# KiCad board panel_32x32_1515_r0.1.kicad_pcb (continued)
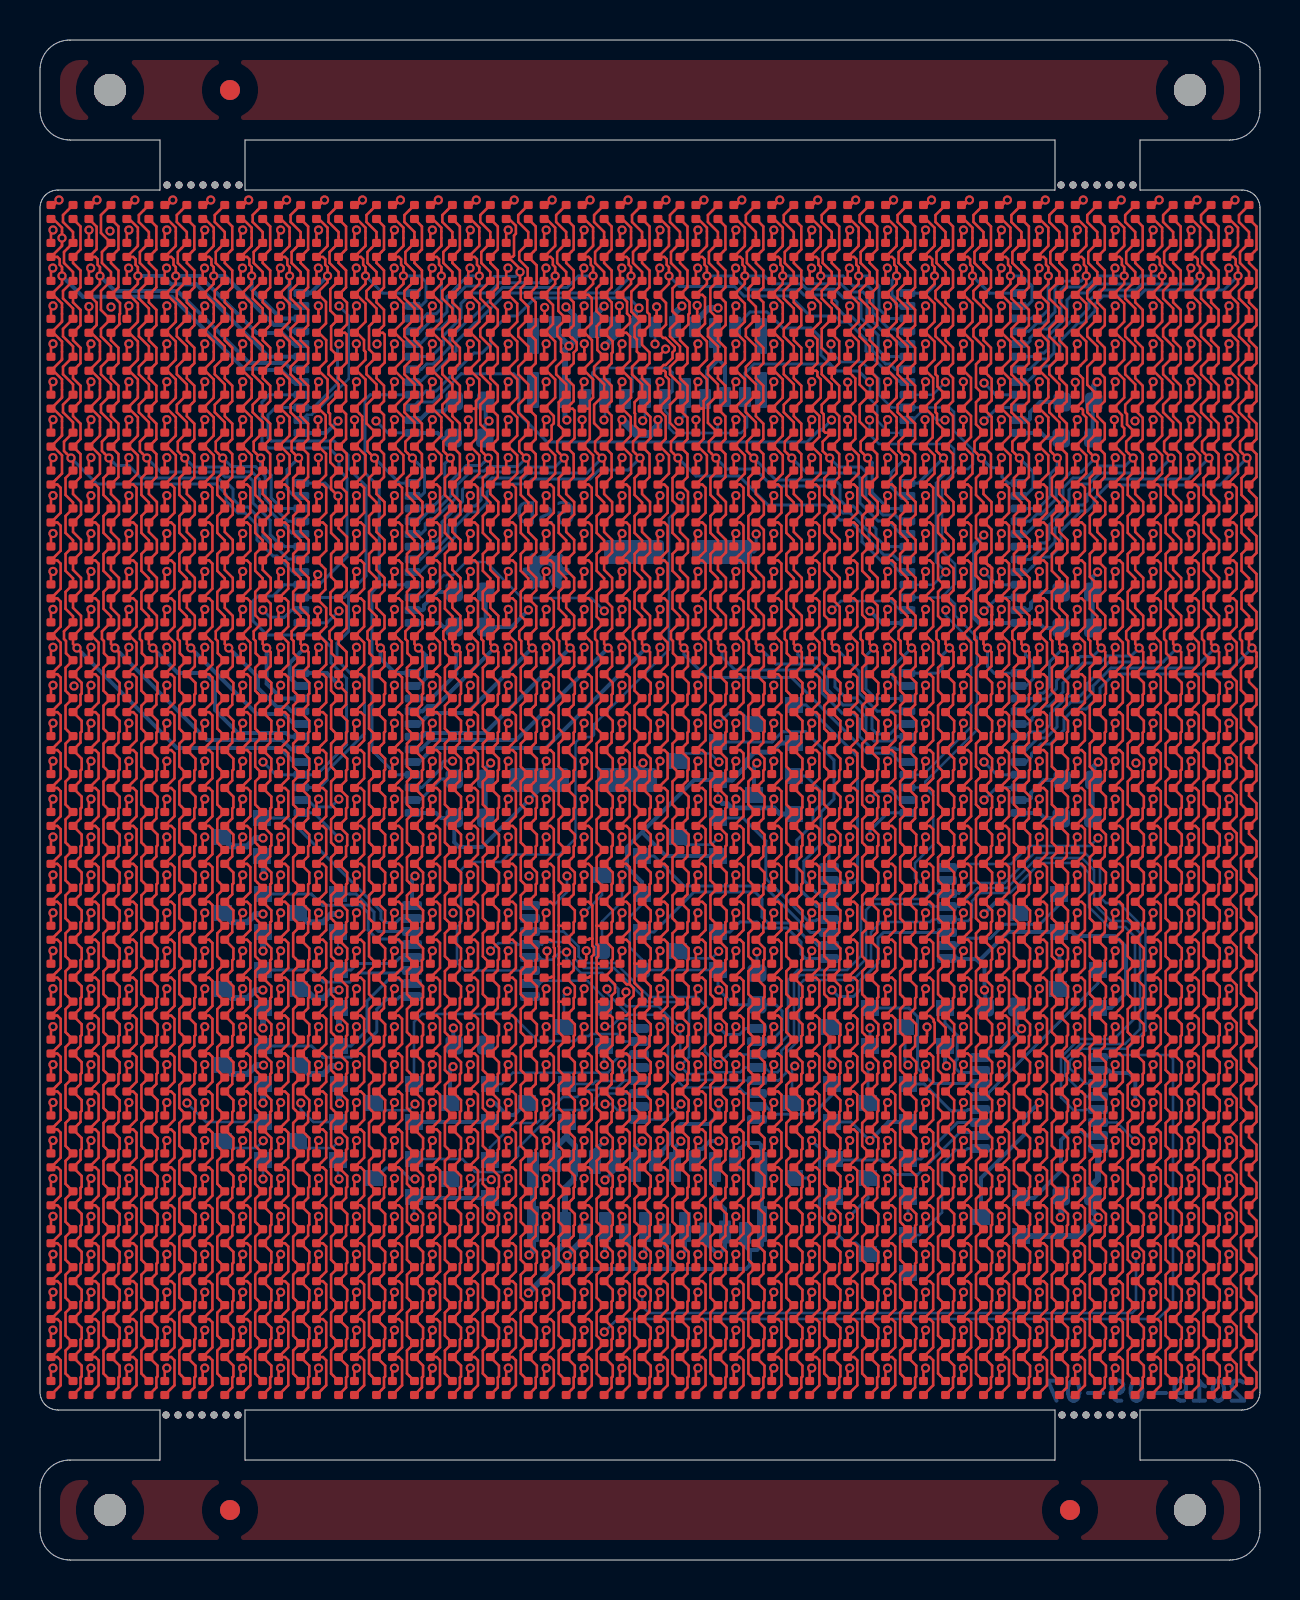
[diagram p0: board, top side]
## Routing (per net, layer and track width the routed paths; a pad name or vN(x,y) marks a point on that pad's centre or on a via; arc(x,y) is an arc through that point) (continued)
/ledArray/sheet5D795624/COM: length 37.7
  Top w0.127: v1(0.65,11.49) 0.55,11.39 D961.1 ; v1(2.55,11.49) 2.45,11.39 D962.1 ; v1(4.44,11.49) 4.34,11.39 D963.1 ; v1(6.34,11.49) 6.24,11.39 D964.1 ; v1(8.24,11.49) 8.14,11.39 D965.1 ; v1(10.13,11.49) 10.03,11.39 D966.1 ; v1(12.03,11.49) 11.93,11.39 D967.1 ; v1(13.93,11.49) 13.83,11.39 D968.1 ; v1(15.82,11.49) 15.72,11.39 D969.1 ; v1(17.72,11.49) 17.62,11.39 D970.1 ; v1(19.62,11.49) 19.52,11.39 D971.1 ; v1(21.51,11.49) 21.41,11.39 D972.1 ; v1(23.41,11.49) 23.31,11.39 D973.1 ; v1(25.31,11.49) 25.21,11.39 D974.1 ; v1(27.2,11.49) 27.1,11.39 D975.1 ; v1(29.1,11.49) 29,11.39 D976.1 ; v1(31,11.49) 30.9,11.39 D977.1 ; v1(32.9,11.49) 32.79,11.39 D978.1 ; v1(34.79,11.49) 34.69,11.39 D979.1 ; v1(36.69,11.49) 36.59,11.39 D980.1 ; v1(38.59,11.49) 38.48,11.39 D981.1 ; v1(40.48,11.49) 40.38,11.39 D982.1 ; v1(42.38,11.49) 42.28,11.39 D983.1 ; v1(44.28,11.49) 44.17,11.39 D984.1 ; v1(46.17,11.49) 46.07,11.39 D985.1 ; v1(48.07,11.49) 47.97,11.39 D986.1 ; v1(49.97,11.49) 49.86,11.39 D987.1 ; v1(51.86,11.49) 51.76,11.39 D988.1 ; v1(53.76,11.49) 53.66,11.39 D989.1 ; v1(55.66,11.49) 55.56,11.39 D990.1 ; v1(57.55,11.49) 57.45,11.39 D991.1 ; v1(59.45,11.49) 59.35,11.39 D992.1
  In2.Cu w0.15: v1(38.59,11.49) 39.05,11.96 39.05,24.2 v1(39.6,24.75)
  Bottom w0.15: v1(39.6,24.75) 39.5,24.85 Q31.3
/ledArray/sheet5D795634/COM: length 39.9
  Top w0.127: v1(0.65,9.6) 0.55,9.5 D993.1 ; v1(2.55,9.6) 2.45,9.5 D994.1 ; v1(4.44,9.6) 4.34,9.5 D995.1 ; v1(6.34,9.6) 6.24,9.5 D996.1 ; v1(8.24,9.6) 8.14,9.5 D997.1 ; v1(10.13,9.6) 10.03,9.5 D998.1 ; v1(12.03,9.6) 11.93,9.5 D999.1 ; v1(13.93,9.6) 13.83,9.5 D1000.1 ; v1(15.82,9.6) 15.72,9.5 D1001.1 ; v1(17.72,9.6) 17.62,9.5 D1002.1 ; v1(19.62,9.6) 19.52,9.5 D1003.1 ; v1(21.51,9.6) 21.41,9.5 D1004.1 ; v1(23.41,9.6) 23.31,9.5 D1005.1 ; v1(25.31,9.6) 25.21,9.5 D1006.1 ; v1(27.2,9.6) 27.1,9.5 D1007.1 ; v1(29.1,9.6) 29,9.5 D1008.1 ; v1(31,9.6) 30.9,9.5 D1009.1 ; v1(32.9,9.6) 32.79,9.5 D1010.1 ; v1(34.79,9.6) 34.69,9.5 D1011.1 ; v1(36.69,9.6) 36.59,9.5 D1012.1 ; v1(38.59,9.6) 38.48,9.5 D1013.1 ; v1(40.48,9.6) 40.38,9.5 D1014.1 ; v1(42.38,9.6) 42.28,9.5 D1015.1 ; v1(44.28,9.6) 44.17,9.5 D1016.1 ; v1(46.17,9.6) 46.07,9.5 D1017.1 ; v1(48.07,9.6) 47.97,9.5 D1018.1 ; v1(49.97,9.6) 49.86,9.5 D1019.1 ; v1(51.86,9.6) 51.76,9.5 D1020.1 ; v1(53.76,9.6) 53.66,9.5 D1021.1 ; v1(55.66,9.6) 55.56,9.5 D1022.1 ; v1(57.55,9.6) 57.45,9.5 D1023.1 ; v1(59.45,9.6) 59.35,9.5 D1024.1
  In2.Cu w0.2: v1(43.4,24.75) 42.98,24.33 42.98,10.89 v1(44.28,9.6)
  Bottom w0.15: v1(43.4,24.75) 43.25,24.9 Q32.3
COL_BA0: length 90.8
  Top w0.127: D993.4 1.03,8.73 1.03,9.99 0.87,10.15 D961.4 1.03,10.63 1.03,11.88 0.87,12.04 D929.4 1.03,12.53 1.03,13.78 0.87,13.94 D897.4 1.03,14.43 1.03,15.68 0.87,15.84 D865.4 1.03,16.32 1.03,17.57 0.87,17.74 D833.4 1.03,18.22 1.03,19.47 0.87,19.63 D801.4 1.03,20.12 1.03,21.37 0.87,21.53 D769.4 1.03,22.01 1.03,23.26 0.87,23.43 D737.4 1.03,23.91 1.03,25.16 0.87,25.32 D705.4 1.03,25.81 1.03,27.06 0.87,27.22 D673.4 1.03,27.7 1.03,28.95 0.87,29.12 D641.4 1.03,29.6 1.03,30.85 0.87,31.01 D609.4 1.03,31.5 1.03,32.75 0.87,32.91 D577.4 1.03,33.39 1.03,34.64 0.87,34.81 D545.4 1.03,35.29 1.03,36.54 0.87,36.7 D513.4 1.03,37.19 1.03,38.44 0.87,38.6 D481.4 1.03,39.08 1.03,40.33 0.87,40.5 D449.4 1.03,40.98 1.03,42.23 0.87,42.39 D417.4 1.03,42.88 1.03,44.13 0.87,44.29 D385.4 1.03,44.77 1.03,45.87 0.71,46.19 D353.4 1.03,46.67 1.03,47.92 0.87,48.08 D321.4 1.03,48.57 1.03,49.82 0.87,49.98 D289.4 1.03,50.46 1.03,51.71 0.87,51.88 D257.4 1.03,52.36 1.03,53.61 0.87,53.77 D225.4 1.1,54.33 1.1,55.24 0.66,55.67 D193.4 1.1,56.22 1.1,57.13 0.66,57.57 D161.4 1.1,58.12 1.1,59.03 0.66,59.46 D129.4 1.1,60.02 1.1,60.93 0.66,61.36 D97.4 1.1,61.91 1.1,62.82 0.66,63.26 D65.4 1.1,63.81 v1(1.1,64.2) 1.1,64.64 0.98,64.76 0.98,65.04 0.87,65.15 D33.4 1.1,65.71 v1(1.1,66.1) 1.1,66.62 0.66,67.05 D1.4
  Bottom w0.2: v1(1.1,64.2) 2.14,63.16 6.59,63.16 10.19,59.56 10.94,59.56 11,59.5 12.06,59.5 12.67,58.9 U9.5
COL_BA1: length 88.1
  Top w0.127: D194.4 3,56.22 3,57.13 2.56,57.57 D162.4 3,58.12 3,59.03 2.56,59.46 D130.4 3,60.02 3,60.93 2.56,61.36 D98.4 2.83,61.75 2.83,62.87 D66.4 3,63.81 v1(3,64.2) 3,64.64 2.88,64.76 2.88,65.04 2.77,65.15 D34.4 2.83,65.54 2.83,66.67 D2.4 ; 2.56,55.67 3,55.24 3,54.33 D226.4 2.77,53.77 2.93,53.61 2.93,52.36 D258.4 2.77,51.88 2.93,51.71 2.93,50.46 D290.4 2.77,49.98 2.93,49.82 2.93,48.57 D322.4 2.77,48.08 2.93,47.92 2.93,46.67 D354.4 2.61,46.19 2.93,45.87 2.93,44.77 D386.4 2.77,44.29 2.93,44.13 2.93,42.88 D418.4 2.77,42.39 2.93,42.23 2.93,40.98 D450.4 2.77,40.5 2.93,40.33 2.93,39.08 D482.4 2.77,38.6 2.93,38.44 2.93,37.19 D514.4 2.77,36.7 2.93,36.54 2.93,35.29 D546.4 2.77,34.81 2.93,34.64 2.93,33.39 D578.4 2.77,32.91 2.93,32.75 2.93,31.5 D610.4 2.77,31.01 2.93,30.85 2.93,29.6 D642.4 2.77,29.12 2.93,28.95 2.93,27.7 D674.4 2.77,27.22 2.93,27.06 2.93,25.81 D706.4 2.77,25.32 2.93,25.16 2.93,23.91 D738.4 2.77,23.43 2.93,23.26 2.93,22.01 D770.4 2.77,21.53 2.93,21.37 2.93,20.12 D802.4 2.77,19.63 2.93,19.47 2.93,18.22 D834.4 2.77,17.74 2.93,17.57 2.93,16.32 D866.4 2.77,15.84 2.93,15.68 2.93,14.43 D898.4 2.77,13.94 2.93,13.78 2.93,12.53 D930.4 2.77,12.04 2.93,11.88 2.93,10.63 D962.4 2.77,10.15 2.93,9.99 2.93,8.73 D994.4
  Bottom w0.2: U9.6 12.57,59.53 12.25,59.85 10.47,59.85 6.87,63.45 3.75,63.45 v1(3,64.2)
COL_BA2: length 86.4
  Top w0.127: D3.4 4.46,67.05 4.89,66.62 4.89,65.71 D35.4 4.66,65.15 4.78,65.04 4.78,64.76 4.89,64.64 v1(4.89,64.2) 4.89,63.81 D67.4 4.46,63.26 4.89,62.82 4.89,61.91 D99.4 4.46,61.36 4.89,60.93 4.89,60.02 D131.4 4.46,59.46 4.89,59.03 4.89,58.12 D163.4 4.46,57.57 4.89,57.13 4.89,56.22 D195.4 ; 4.46,55.67 4.89,55.24 4.89,54.33 D227.4 4.66,53.77 4.83,53.61 4.83,52.36 D259.4 4.66,51.88 4.83,51.71 4.83,50.46 D291.4 4.66,49.98 4.83,49.82 4.83,48.57 D323.4 4.66,48.08 4.83,47.92 4.83,46.67 D355.4 4.51,46.19 4.83,45.87 4.83,44.77 D387.4 4.66,44.29 4.83,44.13 4.83,42.88 D419.4 4.66,42.39 4.83,42.23 4.83,40.98 D451.4 4.66,40.5 4.83,40.33 4.83,39.08 D483.4 4.66,38.6 4.83,38.44 4.83,37.19 D515.4 4.66,36.7 4.83,36.54 4.83,35.29 D547.4 4.66,34.81 4.83,34.64 4.83,33.39 D579.4 4.66,32.91 4.83,32.75 4.83,31.5 D611.4 4.66,31.01 4.83,30.85 4.83,29.6 D643.4 4.66,29.12 4.83,28.95 4.83,27.7 D675.4 4.66,27.22 4.83,27.06 4.83,25.81 D707.4 4.66,25.32 4.83,25.16 4.83,23.91 D739.4 4.66,23.43 4.83,23.26 4.83,22.01 D771.4 4.66,21.53 4.83,21.37 4.83,20.12 D803.4 4.66,19.63 4.83,19.47 4.83,18.22 D835.4 4.66,17.74 4.83,17.57 4.83,16.32 D867.4 4.66,15.84 4.83,15.68 4.83,14.43 D899.4 4.66,13.94 4.83,13.78 4.83,12.53 D931.4 4.66,12.04 4.83,11.88 4.83,10.63 D963.4 4.66,10.15 4.83,9.99 4.83,8.73 D995.4
  Bottom w0.2: v1(4.89,64.2) 6.15,64.2 6.57,63.78 7.82,63.78 11.43,60.17 U9.7
COL_BA3: length 84.2
  Top w0.127: D4.4 6.36,67.05 6.79,66.62 6.79,65.71 D36.4 6.56,65.15 6.67,65.04 6.67,64.76 6.79,64.64 v1(6.79,64.2) 6.79,63.81 D68.4 6.36,63.26 6.79,62.82 6.79,61.91 D100.4 6.36,61.36 6.79,60.93 6.79,60.02 D132.4 6.36,59.46 6.79,59.03 6.79,58.12 D164.4 6.36,57.57 6.79,57.13 6.79,56.22 D196.4 ; 6.36,55.67 6.79,55.24 6.79,54.33 D228.4 6.56,53.77 6.72,53.61 6.72,52.36 D260.4 6.56,51.88 6.72,51.71 6.72,50.46 D292.4 6.56,49.98 6.72,49.82 6.72,48.57 D324.4 6.56,48.08 6.72,47.92 6.72,46.67 D356.4 6.4,46.19 6.72,45.87 6.72,44.77 D388.4 6.56,44.29 6.72,44.13 6.72,42.88 D420.4 6.56,42.39 6.72,42.23 6.72,40.98 D452.4 6.56,40.5 6.72,40.33 6.72,39.08 D484.4 6.56,38.6 6.72,38.44 6.72,37.19 D516.4 6.56,36.7 6.72,36.54 6.72,35.29 D548.4 6.56,34.81 6.72,34.64 6.72,33.39 D580.4 6.56,32.91 6.72,32.75 6.72,31.5 D612.4 6.56,31.01 6.72,30.85 6.72,29.6 D644.4 6.56,29.12 6.72,28.95 6.72,27.7 D676.4 6.56,27.22 6.72,27.06 6.72,25.81 D708.4 6.56,25.32 6.72,25.16 6.72,23.91 D740.4 6.56,23.43 6.72,23.26 6.72,22.01 D772.4 6.56,21.53 6.72,21.37 6.72,20.12 D804.4 6.56,19.63 6.72,19.47 6.72,18.22 D836.4 6.56,17.74 6.72,17.57 6.72,16.32 D868.4 6.56,15.84 6.72,15.68 6.72,14.43 D900.4 6.56,13.94 6.72,13.78 6.72,12.53 D932.4 6.56,12.04 6.72,11.88 6.72,10.63 D964.4 6.56,10.15 6.72,9.99 6.72,8.73 D996.4
  Bottom w0.2: U9.8 12.66,60.8 12.11,61.35 10.84,61.35 7.98,64.2 v1(6.79,64.2)
COL_BA4: length 82
  Top w0.127: D5.4 8.25,67.05 8.69,66.62 8.69,65.71 D37.4 8.46,65.15 8.57,65.04 8.57,64.76 8.69,64.64 v1(8.69,64.2) 8.69,63.81 D69.4 8.25,63.26 8.69,62.82 8.69,61.91 D101.4 8.25,61.36 8.69,60.93 8.69,60.02 D133.4 8.25,59.46 8.69,59.03 8.69,58.12 D165.4 8.25,57.57 8.69,57.13 8.69,56.22 D197.4 ; 8.25,55.67 8.69,55.24 8.69,54.33 D229.4 8.46,53.77 8.62,53.61 8.62,52.36 D261.4 8.46,51.88 8.62,51.71 8.62,50.46 D293.4 8.46,49.98 8.62,49.82 8.62,48.57 D325.4 8.46,48.08 8.62,47.92 8.62,46.67 D357.4 8.3,46.19 8.62,45.87 8.62,44.77 D389.4 8.46,44.29 8.62,44.13 8.62,42.88 D421.4 8.46,42.39 8.62,42.23 8.62,40.98 D453.4 8.46,40.5 8.62,40.33 8.62,39.08 D485.4 8.46,38.6 8.62,38.44 8.62,37.19 D517.4 8.46,36.7 8.62,36.54 8.62,35.29 D549.4 8.46,34.81 8.62,34.64 8.62,33.39 D581.4 8.46,32.91 8.62,32.75 8.62,31.5 D613.4 8.46,31.01 8.62,30.85 8.62,29.6 D645.4 8.46,29.12 8.62,28.95 8.62,27.7 D677.4 8.46,27.22 8.62,27.06 8.62,25.81 D709.4 8.46,25.32 8.62,25.16 8.62,23.91 D741.4 8.46,23.43 8.62,23.26 8.62,22.01 D773.4 8.46,21.53 8.62,21.37 8.62,20.12 D805.4 8.46,19.63 8.62,19.47 8.62,18.22 D837.4 8.46,17.74 8.62,17.57 8.62,16.32 D869.4 8.46,15.84 8.62,15.68 8.62,14.43 D901.4 8.46,13.94 8.62,13.78 8.62,12.53 D933.4 8.46,12.04 8.62,11.88 8.62,10.63 D965.4 8.46,10.15 8.62,9.99 8.62,8.73 D997.4
  Bottom w0.2: v1(8.69,64.2) 9.26,64.2 11.71,61.75 12.26,61.75 12.57,61.44 U9.9
COL_BA5: length 80.3
  Top w0.127: D6.4 10.15,67.05 10.58,66.62 10.58,65.71 D38.4 10.35,65.15 10.47,65.04 10.47,64.76 10.58,64.64 v1(10.58,64.2) 10.58,63.81 D70.4 10.15,63.26 10.58,62.82 10.58,61.91 D102.4 10.15,61.36 10.58,60.93 10.58,60.02 D134.4 10.15,59.46 10.58,59.03 10.58,58.12 D166.4 10.15,57.57 10.58,57.13 10.58,56.22 D198.4 ; 10.15,55.67 10.58,55.24 10.58,54.33 D230.4 10.35,53.77 10.52,53.61 10.52,52.36 D262.4 10.35,51.88 10.52,51.71 10.52,50.46 D294.4 10.35,49.98 10.52,49.82 10.52,48.57 D326.4 10.35,48.08 10.52,47.92 10.52,46.67 D358.4 10.2,46.19 10.52,45.87 10.52,44.77 D390.4 10.35,44.29 10.52,44.13 10.52,42.88 D422.4 10.35,42.39 10.52,42.23 10.52,40.98 D454.4 10.35,40.5 10.52,40.33 10.52,39.08 D486.4 10.35,38.6 10.52,38.44 10.52,37.19 D518.4 10.35,36.7 10.52,36.54 10.52,35.29 D550.4 10.35,34.81 10.52,34.64 10.52,33.39 D582.4 10.35,32.91 10.52,32.75 10.52,31.5 D614.4 10.35,31.01 10.52,30.85 10.52,29.6 D646.4 10.35,29.12 10.52,28.95 10.52,27.7 D678.4 10.35,27.22 10.52,27.06 10.52,25.81 D710.4 10.35,25.32 10.52,25.16 10.52,23.91 D742.4 10.35,23.43 10.52,23.26 10.52,22.01 D774.4 10.35,21.53 10.52,21.37 10.52,20.12 D806.4 10.35,19.63 10.52,19.47 10.52,18.22 D838.4 10.35,17.74 10.52,17.57 10.52,16.32 D870.4 10.35,15.84 10.52,15.68 10.52,14.43 D902.4 10.35,13.94 10.52,13.78 10.52,12.53 D934.4 10.35,12.04 10.52,11.88 10.52,10.63 D966.4 10.35,10.15 10.52,9.99 10.52,8.73 D998.4
  Bottom w0.2: U9.10 12.04,62.07 10.58,63.53 v1(10.58,64.2)
COL_BA6: length 78.6
  Top w0.127: D7.4 12.05,67.05 12.48,66.62 12.48,65.71 D39.4 12.25,65.15 12.36,65.04 12.36,64.76 12.48,64.64 v1(12.48,64.2) 12.48,63.81 D71.4 12.05,63.26 12.48,62.82 12.48,61.91 D103.4 12.05,61.36 12.48,60.93 12.48,60.02 D135.4 12.05,59.46 12.48,59.03 12.48,58.12 D167.4 12.05,57.57 12.48,57.13 12.48,56.22 D199.4 ; 12.05,55.67 12.48,55.24 12.48,54.33 D231.4 12.25,53.77 12.41,53.61 12.41,52.36 D263.4 12.25,51.88 12.41,51.71 12.41,50.46 D295.4 12.25,49.98 12.41,49.82 12.41,48.57 D327.4 12.25,48.08 12.41,47.92 12.41,46.67 D359.4 12.09,46.19 12.41,45.87 12.41,44.77 D391.4 12.25,44.29 12.41,44.13 12.41,42.88 D423.4 12.25,42.39 12.41,42.23 12.41,40.98 D455.4 12.25,40.5 12.41,40.33 12.41,39.08 D487.4 12.25,38.6 12.41,38.44 12.41,37.19 D519.4 12.25,36.7 12.41,36.54 12.41,35.29 D551.4 12.25,34.81 12.41,34.64 12.41,33.39 D583.4 12.25,32.91 12.41,32.75 12.41,31.5 D615.4 12.25,31.01 12.41,30.85 12.41,29.6 D647.4 12.25,29.12 12.41,28.95 12.41,27.7 D679.4 12.25,27.22 12.41,27.06 12.41,25.81 D711.4 12.25,25.32 12.41,25.16 12.41,23.91 D743.4 12.25,23.43 12.41,23.26 12.41,22.01 D775.4 12.25,21.53 12.41,21.37 12.41,20.12 D807.4 12.25,19.63 12.41,19.47 12.41,18.22 D839.4 12.25,17.74 12.41,17.57 12.41,16.32 D871.4 12.25,15.84 12.41,15.68 12.41,14.43 D903.4 12.25,13.94 12.41,13.78 12.41,12.53 D935.4 12.25,12.04 12.41,11.88 12.41,10.63 D967.4 12.25,10.15 12.41,9.99 12.41,8.73 D999.4
  Bottom w0.2: U9.11 12.57,62.71 12.48,62.8 v1(12.48,64.2)
COL_BA7: length 76.9
  Top w0.127: D8.4 13.94,67.05 14.38,66.62 14.38,65.71 D40.4 14.15,65.15 14.26,65.04 14.26,64.76 14.38,64.64 v1(14.38,64.2) 14.38,63.88 13.94,63.44 13.94,63.26 14.3,62.9 14.3,61.83 13.94,61.48 13.94,61.36 14.31,60.99 14.31,59.95 13.94,59.58 13.94,59.46 14.38,59.03 14.38,58.12 13.94,57.68 13.94,57.57 14.28,57.23 14.28,56.13 D200.4 ; D1000.4 14.31,8.73 14.31,9.99 14.15,10.15 D968.4 14.31,10.63 14.31,11.88 14.15,12.04 D936.4 14.31,12.53 14.31,13.78 14.15,13.94 D904.4 14.31,14.43 14.31,15.68 14.15,15.84 D872.4 14.31,16.32 14.31,17.57 14.15,17.74 D840.4 14.31,18.22 14.31,19.47 14.15,19.63 D808.4 14.31,20.12 14.31,21.37 14.15,21.53 D776.4 14.31,22.01 14.31,23.26 14.15,23.43 D744.4 14.31,23.91 14.31,25.16 14.15,25.32 D712.4 14.31,25.81 14.31,27.06 14.15,27.22 D680.4 14.31,27.7 14.31,28.95 14.15,29.12 D648.4 14.31,29.6 14.31,30.85 14.15,31.01 D616.4 14.31,31.5 14.31,32.75 14.15,32.91 D584.4 14.31,33.39 14.31,34.64 14.15,34.81 D552.4 14.31,35.29 14.31,36.54 14.15,36.7 D520.4 14.31,37.19 14.31,38.44 14.15,38.6 D488.4 14.31,39.08 14.31,40.33 14.15,40.5 D456.4 14.31,40.98 14.31,42.23 14.15,42.39 D424.4 14.31,42.88 14.31,44.13 14.15,44.29 D392.4 14.31,44.77 14.31,45.87 13.99,46.19 D360.4 14.31,46.67 14.31,47.6 D328.4 14.27,48.52 14.27,49.54 D296.4 14.31,50.46 14.31,51.71 14.15,51.88 D264.4 14.31,52.36 14.31,53.61 14.15,53.77 D232.4 14.3,54.25 14.3,55.31 13.94,55.67
  Bottom w0.2: U9.12 13.52,63.34 v1(14.38,64.2)
COL_BA8: length 79
  Top w0.127: D9.4 15.84,67.05 16.27,66.62 16.27,65.71 D41.4 16.04,65.15 16.16,65.04 16.16,64.76 16.27,64.64 v1(16.27,64.2) 16.27,63.81 D73.4 15.84,63.26 16.27,62.82 16.27,61.91 D105.4 15.84,61.36 16.2,61 16.2,60.48 16.27,60.41 16.27,60.02 D137.4 15.84,59.46 16.27,59.03 16.27,58.12 D169.4 16.11,57.18 16.11,56.06 D201.4 ; 15.84,55.67 16.27,55.24 16.27,54.33 D233.4 16.04,53.77 16.21,53.61 16.21,52.36 D265.4 16.04,51.88 16.21,51.71 16.21,50.46 D297.4 16.04,49.98 16.21,49.82 16.21,48.57 D329.4 16.04,48.08 16.21,47.92 16.21,46.67 D361.4 15.89,46.19 16.21,45.87 16.21,44.77 D393.4 16.04,44.29 16.21,44.13 16.21,42.88 D425.4 16.04,42.39 16.21,42.23 16.21,40.98 D457.4 16.04,40.5 16.21,40.33 16.21,39.08 D489.4 16.04,38.6 16.21,38.44 16.21,37.19 D521.4 16.04,36.7 16.21,36.54 16.21,35.29 D553.4 16.04,34.81 16.21,34.64 16.21,33.39 D585.4 16.04,32.91 16.21,32.75 16.21,31.5 D617.4 16.04,31.01 16.21,30.85 16.21,29.6 D649.4 16.04,29.12 16.21,28.95 16.21,27.7 D681.4 16.04,27.22 16.21,27.06 16.21,25.81 D713.4 16.04,25.32 16.21,25.16 16.21,23.91 D745.4 16.04,23.43 16.21,23.26 16.21,22.01 D777.4 16.04,21.53 16.21,21.37 16.21,20.12 D809.4 16.04,19.63 16.21,19.47 16.21,18.22 D841.4 16.04,17.74 16.21,17.57 16.21,16.32 D873.4 16.04,15.84 16.21,15.68 16.21,14.43 D905.4 16.04,13.94 16.21,13.78 16.21,12.53 D937.4 16.04,12.04 16.21,11.88 16.21,10.63 D969.4 16.04,10.15 16.21,9.99 16.21,8.73 D1001.4
  Bottom w0.15: U9.13 17.13,63.34 v1(16.27,64.2)
COL_BA9: length 79.5
  Top w0.127: D10.4 17.74,67.05 18.17,66.62 18.17,65.71 D42.4 17.94,65.15 18.06,65.04 18.06,64.76 18.17,64.64 v1(18.17,64.2) 18.17,63.81 D74.4 17.74,63.26 18.17,62.82 18.17,61.91 D106.4 17.74,61.36 18.17,60.93 18.17,60.02 D138.4 17.74,59.46 18.17,59.03 18.17,58.12 D170.4 17.74,57.57 18.17,57.13 18.17,56.22 D202.4 ; 17.74,55.67 18.17,55.24 18.17,54.33 D234.4 17.94,53.77 18.1,53.61 18.1,52.36 D266.4 17.94,51.88 18.1,51.71 18.1,50.46 D298.4 17.94,49.98 18.1,49.82 18.1,48.57 D330.4 17.94,48.08 18.1,47.92 18.1,46.67 D362.4 17.78,46.19 18.1,45.87 18.1,44.77 D394.4 17.94,44.29 18.1,44.13 18.1,42.88 D426.4 17.94,42.39 18.1,42.23 18.1,40.98 D458.4 17.94,40.5 18.1,40.33 18.1,39.08 D490.4 17.94,38.6 18.1,38.44 18.1,37.19 D522.4 17.94,36.7 18.1,36.54 18.1,35.29 D554.4 17.94,34.81 18.1,34.64 18.1,33.39 D586.4 17.94,32.91 18.1,32.75 18.1,31.5 D618.4 17.94,31.01 18.1,30.85 18.1,29.6 D650.4 17.94,29.12 18.1,28.95 18.1,27.7 D682.4 17.94,27.22 18.1,27.06 18.1,25.81 D714.4 17.94,25.32 18.1,25.16 18.1,23.91 D746.4 17.94,23.43 18.1,23.26 18.1,22.01 D778.4 17.94,21.53 18.1,21.37 18.1,20.12 D810.4 17.94,19.63 18.1,19.47 18.1,18.22 D842.4 17.94,17.74 18.1,17.57 18.1,16.32 D874.4 17.94,15.84 18.1,15.68 18.1,14.43 D906.4 17.94,13.94 18.1,13.78 18.1,12.53 D938.4 17.94,12.04 18.1,11.88 18.1,10.63 D970.4 17.94,10.15 18.1,9.99 18.1,8.73 D1002.4
  Bottom w0.15: U9.14 19.06,62.71 19.3,62.95 19.3,63.9 19,64.2 v1(18.17,64.2)
COL_BA10: length 79.8
  Top w0.127: D11.4 19.63,67.05 20.07,66.62 20.07,65.71 D43.4 19.84,65.15 19.95,65.04 19.95,64.76 20.07,64.64 v1(20.07,64.2) 20.07,63.81 D75.4 19.63,63.26 20.07,62.82 20.07,61.91 D107.4 19.63,61.36 20.07,60.93 20.07,60.02 D139.4 19.63,59.46 20.07,59.03 20.07,58.12 D171.4 19.63,57.57 20.07,57.13 20.07,56.22 D203.4 ; 19.63,55.67 20.07,55.24 20.07,54.33 D235.4 19.84,53.77 20,53.61 20,52.36 D267.4 19.84,51.88 20,51.71 20,50.46 D299.4 19.84,49.98 20,49.82 20,48.57 D331.4 19.84,48.08 20,47.92 20,46.67 D363.4 19.68,46.19 20,45.87 20,44.77 D395.4 19.84,44.29 20,44.13 20,42.88 D427.4 19.84,42.39 20,42.23 20,40.98 D459.4 19.84,40.5 20,40.33 20,39.08 D491.4 19.84,38.6 20,38.44 20,37.19 D523.4 19.84,36.7 20,36.54 20,35.29 D555.4 19.84,34.81 20,34.64 20,33.39 D587.4 19.84,32.91 20,32.75 20,31.5 D619.4 19.84,31.01 20,30.85 20,29.6 D651.4 19.84,29.12 20,28.95 20,27.7 D683.4 19.84,27.22 20,27.06 20,25.81 D715.4 19.84,25.32 20,25.16 20,23.91 D747.4 19.84,23.43 20,23.26 20,22.01 D779.4 19.84,21.53 20,21.37 20,20.12 D811.4 19.84,19.63 20,19.47 20,18.22 D843.4 19.84,17.74 20,17.57 20,16.32 D875.4 19.84,15.84 20,15.68 20,14.43 D907.4 19.84,13.94 20,13.78 20,12.53 D939.4 19.84,12.04 20,11.88 20,10.63 D971.4 19.84,10.15 20,9.99 20,8.73 D1003.4
  Bottom w0.15: v1(20.07,64.2) 20.07,62.57 19.81,62.31 19.37,62.31 19.13,62.07 U9.15
COL_BA11: length 81.3
  Top w0.127: D12.4 21.53,67.05 21.96,66.62 21.96,65.71 D44.4 21.73,65.15 21.85,65.04 21.85,64.76 21.96,64.64 v1(21.96,64.2) 21.96,63.81 D76.4 21.53,63.26 21.96,62.82 21.96,61.91 D108.4 21.53,61.36 21.96,60.93 21.96,60.02 D140.4 21.53,59.46 21.96,59.03 21.96,58.12 21.8,57.95 21.8,57.55 ; 21.53,55.67 21.96,55.24 21.96,54.33 D236.4 21.73,53.77 21.9,53.61 21.9,52.36 D268.4 21.73,51.88 21.9,51.71 21.9,50.46 D300.4 21.73,49.98 21.9,49.82 21.9,48.57 D332.4 21.73,48.08 21.9,47.92 21.9,46.67 D364.4 21.58,46.19 21.9,45.87 21.9,44.77 D396.4 21.73,44.29 21.9,44.13 21.9,42.88 D428.4 21.73,42.39 21.9,42.23 21.9,40.98 D460.4 21.73,40.5 21.9,40.33 21.9,39.08 D492.4 21.73,38.6 21.9,38.44 21.9,37.19 D524.4 21.73,36.7 21.9,36.54 21.9,35.29 D556.4 21.73,34.81 21.9,34.64 21.9,33.39 D588.4 21.73,32.91 21.9,32.75 21.9,31.5 D620.4 21.73,31.01 21.9,30.85 21.9,29.6 D652.4 21.73,29.12 21.9,28.95 21.9,27.7 D684.4 21.73,27.22 21.9,27.06 21.9,25.81 D716.4 21.73,25.32 21.9,25.16 21.9,23.91 D748.4 21.73,23.43 21.9,23.26 21.9,22.01 D780.4 21.73,21.53 21.9,21.37 21.9,20.12 D812.4 21.73,19.63 21.9,19.47 21.9,18.22 D844.4 21.73,17.74 21.9,17.57 21.9,16.32 D876.4 21.73,15.84 21.9,15.68 21.9,14.43 D908.4 21.73,13.94 21.9,13.78 21.9,12.53 D940.4 21.73,12.04 21.9,11.88 21.9,10.63 D972.4 21.73,10.15 21.9,9.99 21.9,8.73 D1004.4 ; 21.8,57.55 21.8,56.06 D204.4 ; 21.8,57.55 21.75,57.55 21.73,57.57 D172.4
  Bottom w0.15: v1(21.96,64.2) 21.38,64.2 20.35,63.17 20.35,62.4 19.9,61.95 19.53,61.95 19.02,61.44 U9.16
COL_BA12: length 83.5
  Top w0.127: 23.43,55.67 23.86,55.24 23.86,54.33 D237.4 23.63,53.77 23.79,53.61 23.79,52.36 D269.4 23.63,51.88 23.79,51.71 23.79,50.46 D301.4 23.63,49.98 23.79,49.82 23.79,48.57 D333.4 23.63,48.08 23.79,47.92 23.79,46.67 D365.4 23.47,46.19 23.79,45.87 23.79,44.77 D397.4 23.63,44.29 23.79,44.13 23.79,42.88 D429.4 23.63,42.39 23.79,42.23 23.79,40.98 D461.4 23.63,40.5 23.79,40.33 23.79,39.08 D493.4 23.63,38.6 23.79,38.44 23.79,37.19 D525.4 23.63,36.7 23.79,36.54 23.79,35.29 D557.4 23.63,34.81 23.79,34.64 23.79,33.39 D589.4 23.63,32.91 23.79,32.75 23.79,31.5 D621.4 23.63,31.01 23.79,30.85 23.79,29.6 D653.4 23.63,29.12 23.79,28.95 23.79,27.7 D685.4 23.63,27.22 23.79,27.06 23.79,25.81 D717.4 23.63,25.32 23.79,25.16 23.79,23.91 D749.4 23.63,23.43 23.79,23.26 23.79,22.01 D781.4 23.63,21.53 23.79,21.37 23.79,20.12 D813.4 23.63,19.63 23.79,19.47 23.79,18.22 D845.4 23.63,17.74 23.79,17.57 23.79,16.32 D877.4 23.63,15.84 23.79,15.68 23.79,14.43 D909.4 23.63,13.94 23.79,13.78 23.79,12.53 D941.4 23.63,12.04 23.79,11.88 23.79,10.63 D973.4 23.63,10.15 23.79,9.99 23.79,8.73 D1005.4 ; D205.4 23.86,56.22 23.86,57.13 23.43,57.57 23.43,57.68 23.86,58.12 23.86,59.03 23.43,59.46 23.43,59.58 23.86,60.02 23.86,60.93 23.43,61.36 23.43,61.48 23.86,61.91 23.86,62.82 23.43,63.26 23.43,63.37 24,63.95 v1(24,64.4) 24,64.56 23.41,65.15 D45.4 23.63,65.15 23.7,65.22 23.7,66.22 23.79,66.32 23.79,66.71 23.45,67.05 D13.4
  Bottom w0.15: U9.17 19,60.8 19,60.8 19.34,61.14 19.34,61.34 19.55,61.55 20,61.55 20.65,62.2 20.65,63.05 21.3,63.7 22.25,63.7 22.72,64.17 23.77,64.17 v1(24,64.4)
COL_BA13: length 85.5
  Top w0.127: D14.4 25.32,67.05 25.76,66.62 25.76,65.71 D46.4 25.53,65.15 25.64,65.04 25.64,64.76 25.76,64.64 v1(25.76,64.2) 25.76,63.81 D78.4 25.21,63.19 25.65,62.75 25.65,61.8 D110.4 25.32,61.36 25.76,60.93 25.76,60.02 D142.4 25.32,59.46 25.76,59.03 25.76,58.12 D174.4 25.32,57.57 25.69,57.2 25.69,56.83 25.58,56.72 25.58,56.04 D206.4 ; 25.32,55.67 25.76,55.24 25.76,54.33 D238.4 25.53,53.77 25.69,53.61 25.69,52.36 D270.4 25.53,51.88 25.69,51.71 25.69,50.46 D302.4 25.53,49.98 25.69,49.82 25.69,48.57 D334.4 25.53,48.08 25.69,47.92 25.69,46.67 D366.4 25.37,46.19 25.69,45.87 25.69,44.77 D398.4 25.53,44.29 25.69,44.13 25.69,42.88 D430.4 25.53,42.39 25.69,42.23 25.69,40.98 D462.4 25.53,40.5 25.69,40.33 25.69,39.08 D494.4 25.53,38.6 25.69,38.44 25.69,37.19 D526.4 25.53,36.7 25.69,36.54 25.69,35.29 D558.4 25.53,34.81 25.69,34.64 25.69,33.39 25.7,33.38 25.7,32.76 25.69,32.75 ; 25.69,27.21 25.69,25.81 D718.4 25.53,25.32 25.69,25.16 25.69,23.91 D750.4 25.53,23.43 25.69,23.26 25.69,22.01 D782.4 25.53,21.53 25.69,21.37 25.69,20.12 D814.4 25.53,19.63 25.69,19.47 25.69,18.22 D846.4 25.53,17.74 25.69,17.57 25.69,16.32 D878.4 25.53,15.84 25.69,15.68 25.69,14.43 D910.4 25.53,13.94 25.69,13.78 25.69,12.53 D942.4 25.53,12.04 25.69,11.88 25.69,10.63 D974.4 25.53,10.15 25.69,9.99 25.69,8.73 D1006.4 ; 25.69,27.21 25.69,29.16 ; 25.69,27.21 25.54,27.21 25.53,27.22 D686.4 ; 25.69,29.16 25.69,30.17 25.73,30.22 25.73,30.58 25.69,30.63 25.69,30.96 ; 25.69,29.16 25.57,29.16 25.53,29.12 D654.4 ; 25.69,32.75 25.69,30.96 ; 25.69,32.75 25.53,32.91 D590.4 ; 25.69,30.96 25.58,30.96 25.53,31.01 D622.4
  Bottom w0.15: v1(25.76,64.2) 25.42,63.86 22.96,63.86 22.45,63.35 21.58,63.35 21.05,62.82 21.05,62.1 20.17,61.22 20.17,60.78 19.56,60.17 U9.18
COL_BA14: length 87.4
  Top w0.127: D15.4 27.22,67.05 27.65,66.62 27.65,65.71 D47.4 27.43,65.15 27.54,65.04 27.54,64.76 27.65,64.64 v1(27.65,64.2) 27.65,63.81 D79.4 27.43,63.26 27.59,63.1 27.59,61.84 D111.4 27.23,61.36 27.6,60.99 27.6,59.96 27.54,59.91 ; 27.22,55.67 27.65,55.24 27.65,54.33 D239.4 27.43,53.77 27.59,53.61 27.59,52.36 D271.4 27.43,51.88 27.59,51.71 27.59,50.46 D303.4 27.43,49.98 27.59,49.82 27.59,48.57 D335.4 27.43,48.08 27.59,47.92 27.59,46.67 D367.4 27.27,46.19 27.59,45.87 27.59,44.77 D399.4 27.43,44.29 27.59,44.13 27.59,42.88 D431.4 27.43,42.39 27.59,42.23 27.59,40.98 D463.4 27.43,40.5 27.59,40.33 27.59,39.08 D495.4 27.43,38.6 27.59,38.44 27.59,37.19 D527.4 27.43,36.7 27.59,36.54 27.59,35.29 D559.4 27.43,34.81 27.59,34.64 27.59,33.39 27.54,33.35 27.54,32.79 ; 27.54,59.91 27.22,59.58 27.22,59.46 27.65,59.03 27.65,58.12 27.49,57.95 27.49,57.59 ; 27.54,59.91 27.61,59.97 ; 27.62,31.07 27.62,32.72 27.43,32.91 D591.4 ; 27.62,31.07 27.62,30.7 27.69,30.63 27.69,30.28 27.59,30.17 27.59,29.19 ; 27.62,31.07 27.48,31.07 27.43,31.01 D623.4 ; D175.4 27.47,57.57 27.49,57.59 ; 27.59,27.21 27.43,27.21 27.43,27.22 D687.4 ; 27.59,27.21 27.59,25.81 D719.4 27.43,25.32 27.59,25.16 27.59,23.91 D751.4 27.43,23.43 27.59,23.26 27.59,22.01 D783.4 27.43,21.53 27.59,21.37 27.59,20.12 D815.4 27.43,19.63 27.59,19.47 27.59,18.22 D847.4 27.43,17.74 27.59,17.57 27.59,16.32 D879.4 27.43,15.84 27.59,15.68 27.59,14.43 D911.4 27.43,13.94 27.59,13.78 27.59,12.53 D943.4 27.43,12.04 27.59,11.88 27.59,10.63 D975.4 27.43,10.15 27.59,9.99 27.59,8.73 D1007.4 ; 27.59,27.21 27.59,29.19 ; 27.59,29.19 27.5,29.19 27.43,29.12 D655.4 ; 27.49,57.59 27.49,56.06 D207.4
  Bottom w0.15: v1(27.65,64.2) 26.93,64.2 26.35,63.62 23.12,63.62 21.65,62.15 21.55,62.15 20.5,61.1 20.5,60.65 19.65,59.8 19.34,59.8 19.07,59.53 U9.19
COL_BA15: length 89.7
  Top w0.127: D16.4 29.12,67.05 29.55,66.62 29.55,65.71 D48.4 29.32,65.15 29.44,65.04 29.44,64.76 29.55,64.64 v1(29.55,64.2) 29.55,63.81 D80.4 29.35,62.91 29.35,62.33 29.5,62.18 29.5,61.86 D112.4 29.32,61.36 29.5,61.18 29.5,59.96 29.12,59.58 29.12,59.46 29.55,59.03 29.55,58.12 29.12,57.68 29.12,57.57 29.54,57.15 29.54,56.21 D208.4 ; 29.12,55.67 29.55,55.24 29.55,54.33 D240.4 29.32,53.77 29.48,53.61 29.48,52.36 D272.4 29.32,51.88 29.48,51.71 29.48,50.46 D304.4 29.32,49.98 29.48,49.82 29.48,48.57 D336.4 29.32,48.08 29.48,47.92 29.48,46.67 D368.4 29.16,46.19 29.48,45.87 29.48,44.77 D400.4 29.32,44.29 29.48,44.13 29.48,42.88 D432.4 29.32,42.39 29.48,42.23 29.48,40.98 D464.4 29.32,40.5 29.48,40.33 29.48,39.08 D496.4 29.32,38.6 29.48,38.44 29.48,37.19 D528.4 29.32,36.7 29.48,36.54 29.48,35.29 D560.4 29.32,34.81 29.48,34.64 29.48,33.39 D592.4 29.32,32.91 29.48,32.75 29.48,31.5 D624.4 29.32,31.01 29.48,30.85 29.48,28.78 ; D1008.4 29.48,8.73 29.48,9.99 29.32,10.15 D976.4 29.48,10.63 29.48,11.88 29.32,12.04 D944.4 29.48,12.53 29.48,13.78 29.32,13.94 D912.4 29.48,14.43 29.48,15.68 29.32,15.84 D880.4 29.48,16.32 29.48,17.57 29.32,17.74 D848.4 29.48,18.22 29.48,19.47 29.32,19.63 D816.4 29.48,20.12 29.48,21.37 29.32,21.53 D784.4 29.48,22.01 29.48,23.26 29.32,23.43 D752.4 29.48,23.91 29.48,25.16 29.32,25.32 D720.4 29.48,25.81 29.48,27.38 ; 29.48,27.38 29.48,28.02 29.68,28.22 29.68,28.58 29.48,28.78 ; 29.48,27.38 29.48,27.38 29.32,27.22 D688.4 ; 29.48,28.78 29.33,28.78 D656.4